# Altium PCB D11_LOCK_v1_0.PcbDoc
Units mm, origin at the board's own origin, x right, y up, seen from the top; angles counter-clockwise.
Board outline 85 x 50 mm, 4 copper layers (Top Layer, Internal Plane 1, Internal Plane 2, Bottom Layer), stack 1.56 mm thick; 130 components, 99 nets, 393 pads, 135 vias.
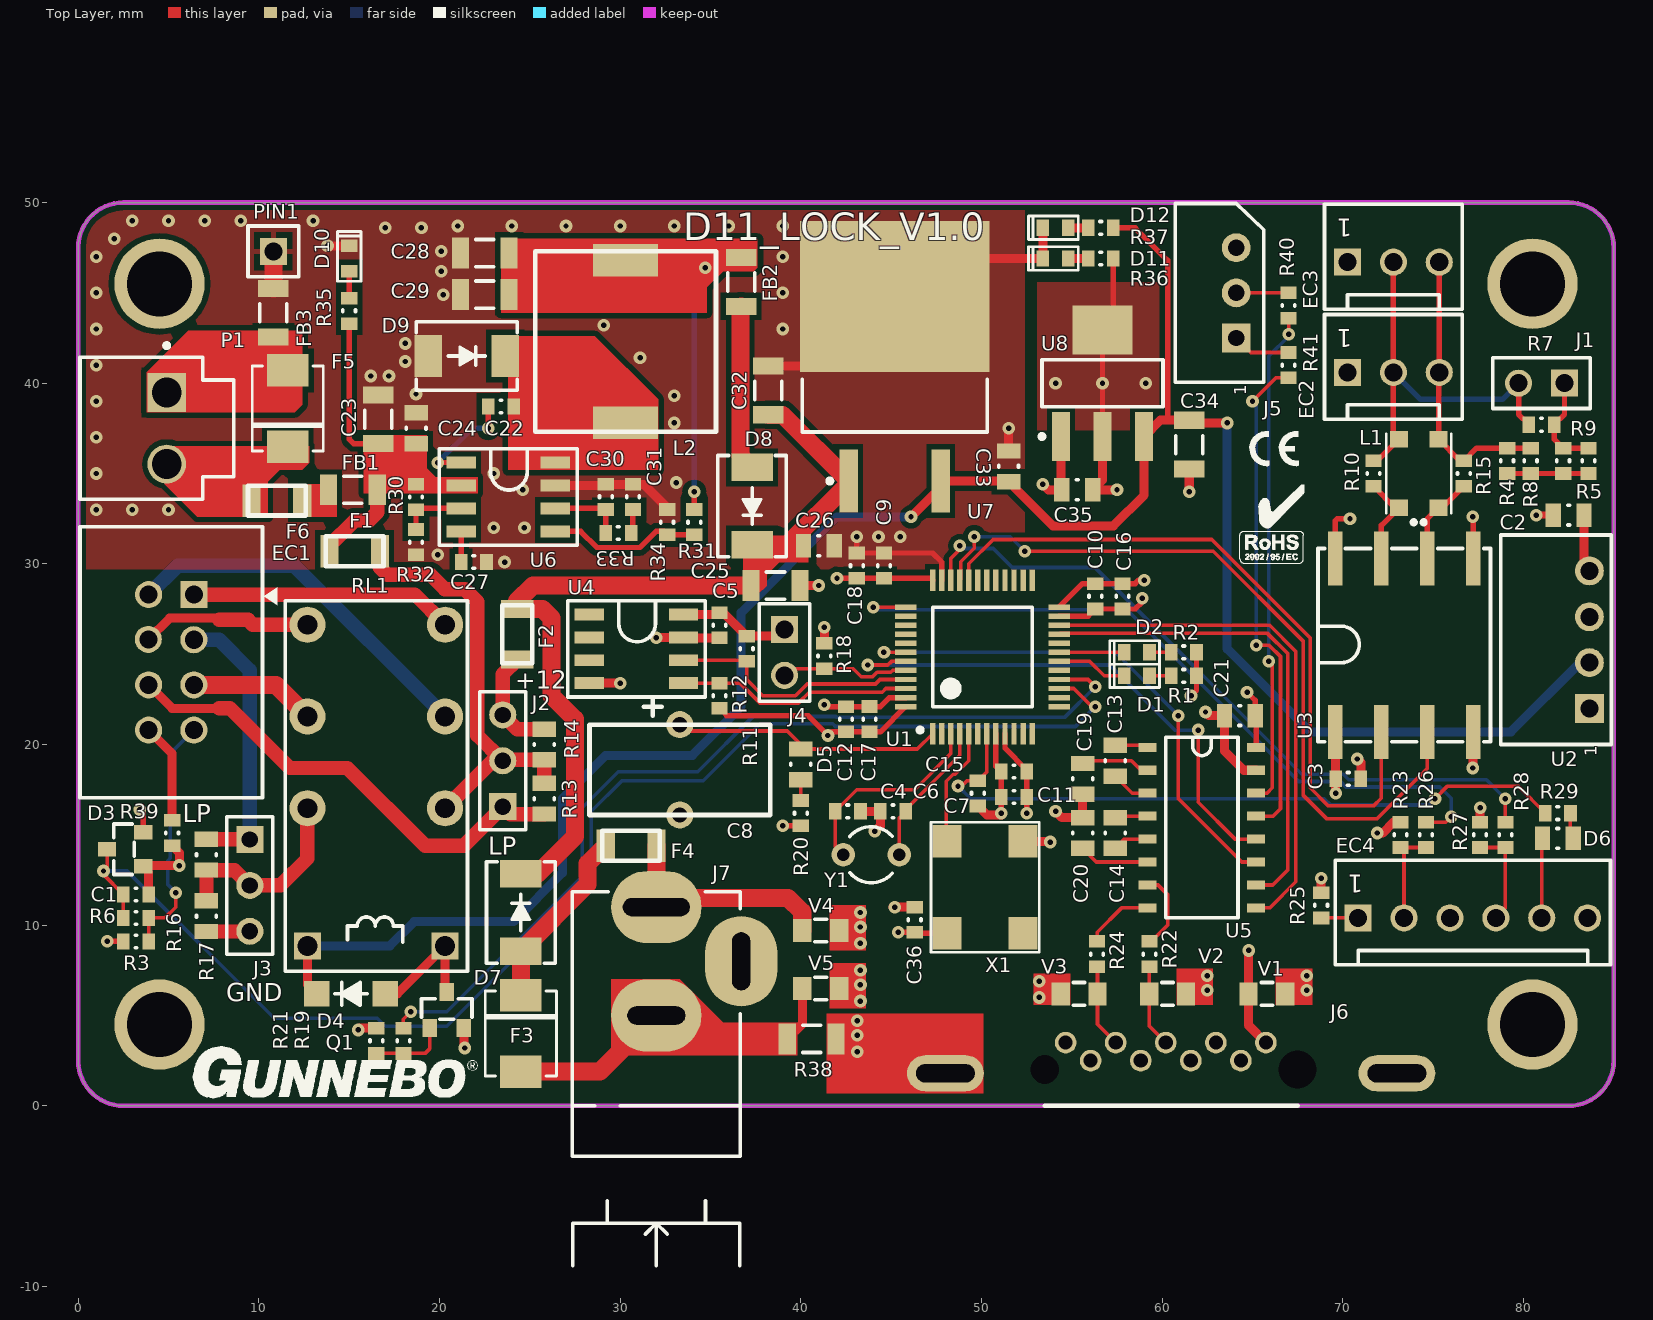
[diagram p0: Top Layer view]
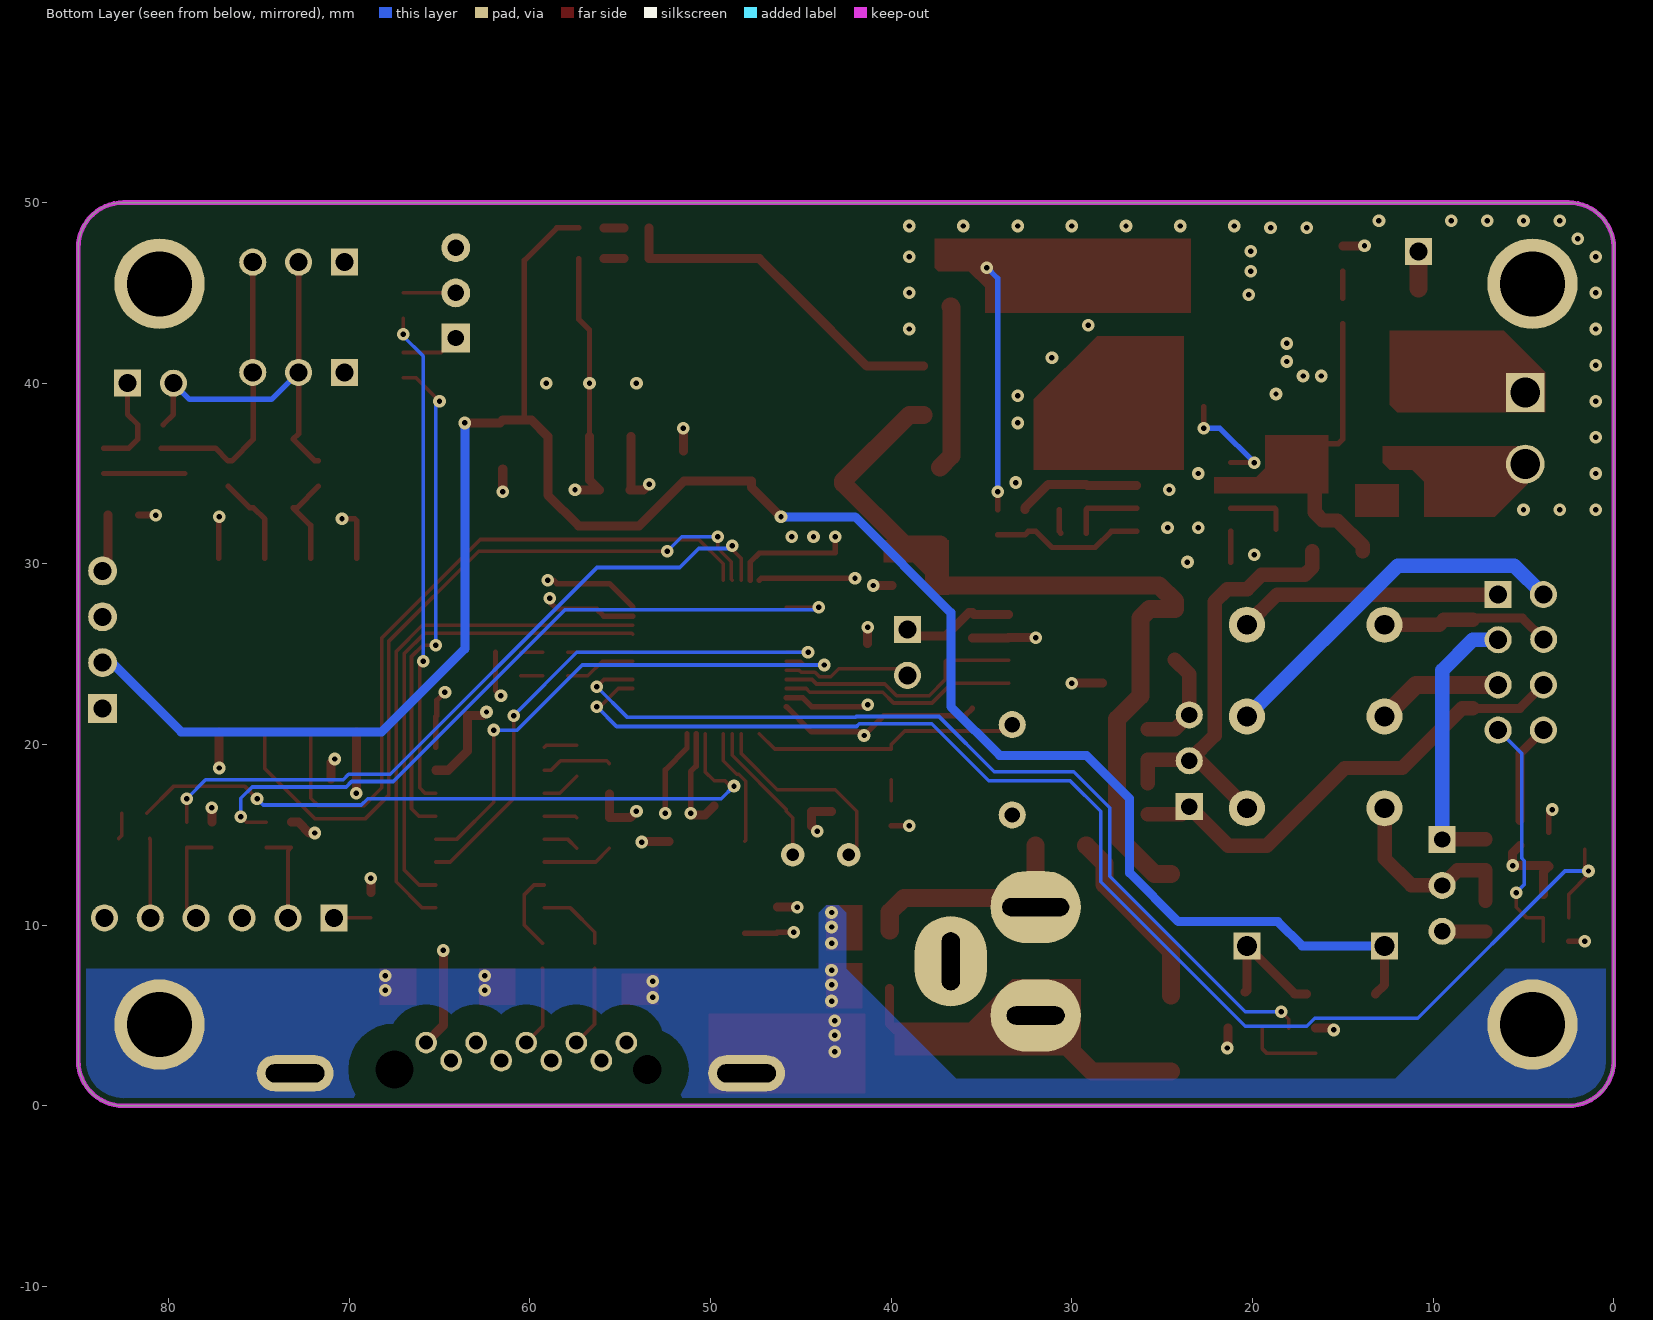
[diagram p1: Bottom Layer view, seen from below]
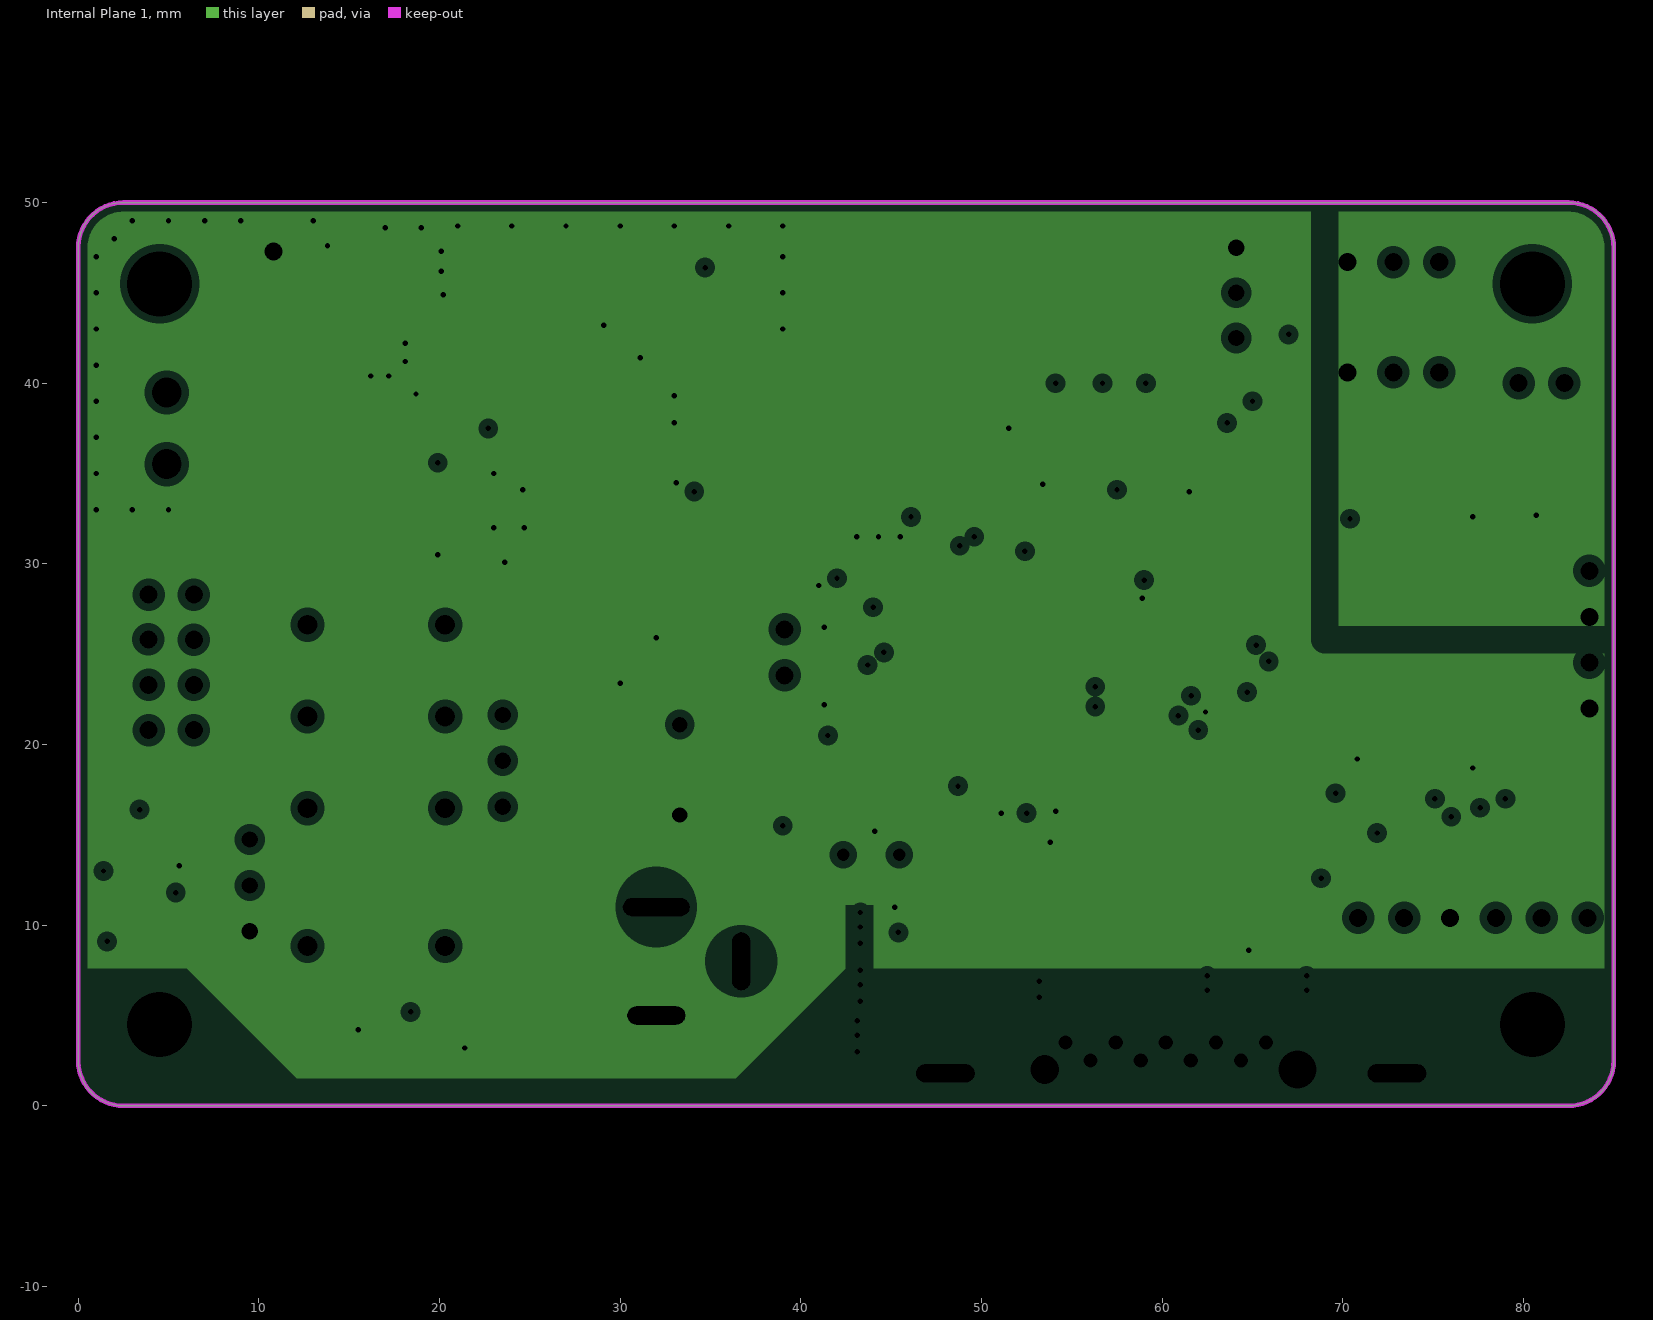
[diagram p2: Internal Plane 1, clearances drawn from the general rule]
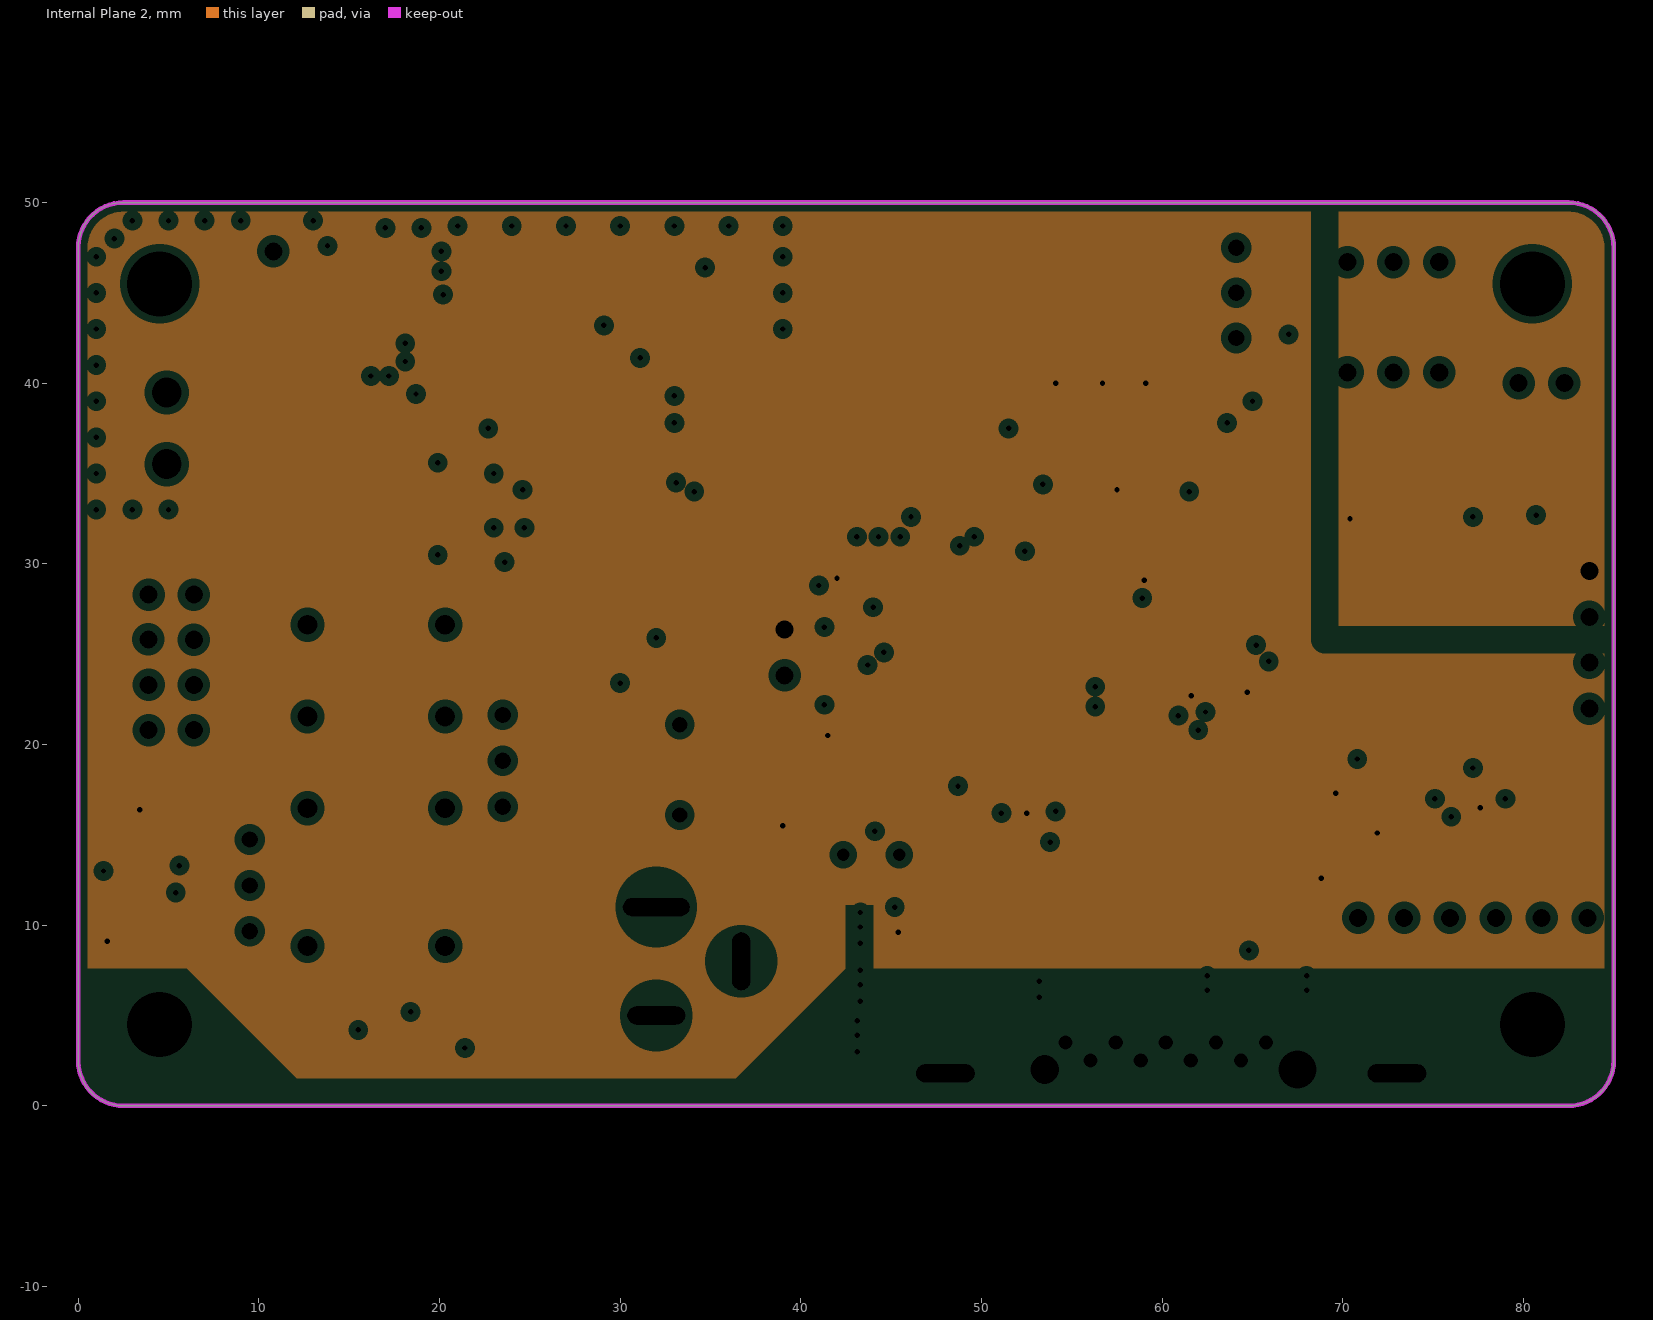
[diagram p3: Internal Plane 2, clearances drawn from the general rule]

## Layer stack, top to bottom
Top Solder: solder mask 0.0102, Solder Resist, Dk 3.5
Top Layer: signal copper 0.035
Dielectric 1: prepreg 0.13, 2x1080, Dk 4.4
Internal Plane 1: plane copper 0.015, net (Multiple Nets)
Dielectric 3: core 1.2, Dk 4.7
Internal Plane 2: plane copper 0.015, net (Multiple Nets)
Dielectric 2: prepreg 0.13, 2x1080, Dk 4.4
Bottom Layer: signal copper 0.035
Bottom Solder: solder mask 0.0102, Solder Resist, Dk 3.5

## Board outline
0,2.5 ccw(c2.5,2.5) 2.5,0 82.5,0 ccw(c82.5,2.5) 85,2.5 85,47.5 ccw(c82.5,47.5) 82.5,50 2.5,50 ccw(c2.5,47.5) 0,47.5

## Design rules (kind name [scope] priority, off if disabled: settings)
Clearance Clearance_PADS [IsPad vs IsPad] p1: gap=0.2 ignorepadtopadclearanceinfootprint=FALSE
Clearance Clearance_usb [InNetClass('DIFF90') vs (InNet('GND') AND InPolygon)] p2: gap=1.5 ignorepadtopadclearanceinfootprint=FALSE
Clearance Clearance_GND_EARTH [InNet('GND_EARTH')] p3: gap=0.3 ignorepadtopadclearanceinfootprint=FALSE except(1.5: THPad-Fill THPad-Poly THPad-Region Fill-Fill Fill-Poly Fill-Region Poly-Poly Poly-Region Region-Region)
Clearance Clearance_polygon [InPolygon] p4: gap=0.3 ignorepadtopadclearanceinfootprint=FALSE
Clearance [All] p5: gap=0.2 ignorepadtopadclearanceinfootprint=FALSE
DiffPairsRouting DiffPairsRouting_90 [InDifferentialPairClass('DIF90')] p1: maxlimit=0.5 minlimit=0.23 mostfreqgap=0.48 toplayer_minwidth=0.23 toplayer_maxwidth=0.23 toplayer_prefwidth=0.23 bottomlayer_minwidth=0.23 bottomlayer_maxwidth=0.23 bottomlayer_prefwidth=0.23 maxuncoupledlength=8
DiffPairsRouting [All] p2: maxlimit=0.254 minlimit=0.254 mostfreqgap=0.254 toplayer_minwidth=0.2 toplayer_maxwidth=0.381 toplayer_prefwidth=0.381 bottomlayer_minwidth=0.2 bottomlayer_maxwidth=0.381 bottomlayer_prefwidth=0.381 maxuncoupledlength=12.7
HoleSize [All] p1: absolutevalues=TRUE maxlimit=4 minlimit=0.025 maxpercent=80.000 minpercent=20.000
MatchedLengths [InDifferentialPairClass('DIF90')] p1: tolerance=0.127 checknetsindiffpair=TRUE checkdiffpairvsdiffpair=FALSE checkxsignals=FALSE checkothers=FALSE
MinimumSolderMaskSliver [All] p1: minsoldermaskwidth=0.08
PasteMaskExpansion [All] p1: expansion=-0.02
PlaneClearance [All] p1: clearance=0.4
PlaneConnect PlaneConnect_THD [InPadClass('THD')] p1: planeconnectstyle=Relief reliefexpansion=0.3 reliefentries=4 reliefconductorwidth=0.3 reliefairgap=0.3
PlaneConnect [All] p2: planeconnectstyle=Direct reliefexpansion=0.508 reliefentries=4 reliefconductorwidth=0.254 reliefairgap=0.254
PolygonConnect PolygonConnect_GND_EARTH [InNet('GND_EARTH')] p1: connectstyle=Direct reliefconductorwidth=0.254 reliefentries=4 polygonreliefangle="90 Angle" airgapwidth=0.254
PolygonConnect [All] p2: thpad.connectstyle=Relief thpad.reliefconductorwidth=0.3 thpad.reliefentries=4 thpad.polygonreliefangle="90 Angle" thpad.airgapwidth=0.3 smdpad.connectstyle=Direct smdpad.reliefconductorwidth=0.254 smdpad.reliefentries=4 smdpad.polygonreliefangle="90 Angle" smdpad.airgapwidth=0.254 via.connectstyle=Direct via.reliefconductorwidth=0.254 via.reliefentries=4 via.polygonreliefangle="90 Angle" via.airgapwidth=0.254
RoomDefinition power [InComponentClass('power')] p1: confinementstyle=ConfineIn formatcopy=TRUE lockcomponents=FALSE outline -0.3,-9.3 62.8,-9.3 62.8,49.6 -0.3,49.6
RoomDefinition micro [InComponentClass('micro')] p2: confinementstyle=ConfineIn formatcopy=TRUE lockcomponents=FALSE outline -0.3,-6.7 85.3,-6.7 85.3,50.4 -0.3,50.4
RoutingVias [All] p1: holewidth=0.3 width=0.7 viastyle="Through Hole" minholewidth=0.2 minwidth=0.5 maxholewidth=0.711 maxwidth=1.27
SilkToSilkClearance [All] p1: silktosilkclearance=0.125
SilkToSolderMaskClearance [IsPad] p1: minsilkscreentomaskgap=0 clearancetoexposedcopper=TRUE
SolderMaskExpansion SolderMaskExpansion_via [IsVia] p1: expansion=-1
SolderMaskExpansion [All] p2: expansion=0.06
Width [All] p1: maxlimit=5 minlimit=0.2 preferedwidth=0.3
22 further rules are at their usual default settings.

## Classes and differential pairs
pad class THD: C15-1 C15-2 EC1-1 EC1-2 EC1-3 EC2-1 EC2-2 EC2-3 EC3-1 EC3-2 EC3-3 EC3-4 EC3-5 EC3-6 EC4-1 EC4-2 EC4-3 EC4-4 EC4-5 EC4-6 EC4-7 EC4-8 J2-1 J2-2 J3-1 J3-2 J3-3 J4-1 J4-2 J4-3 J4-4 J4-5 J4-6 J4-7 J4-8 J4-9 J4-10 J4-11 J5-1 J5-2 J7-1 J7-2 J7-3 J8-1 J8-2 J8-3 J10-1 J10-2 J10-3 P2-1 P2-2 PIN1-1 RL1-1 RL1-4 RL1-6 RL1-8 RL1-9 RL1-11 RL1-13 RL1-16 U3-1 U3-2 U3-3 U3-4 Y1-1 Y1-2
differential pair class DIF90: FUSB USB
component class power: C22 C23 C24 C25 C26 C27 C28 C29 C30 C31 C32 C33 C34 C35 D7 D8 D9 D10 D11 D12 F3 F4 F5 F6 FB1 FB2 FB3 J7 L2 P1 PIN1 R30 R31 R32 R33 R34 R35 R36 R37 R38 U6 U7 U8 V4 V5
component class micro: C1 C2 C3 C4 C5 C6 C7 C8 C9 C10 C11 C12 C13 C14 C15 C16 C17 C18 C19 C20 C21 C36 D1 D2 D3 D4 D5 D6 EC1 EC2 EC3 EC4 F1 F2 J1 J2 J3 J4 J5 J6 L1 Q1 R1 R2 R3 R4 R5 R6 R7 R8 R9 R10 R11 R12 R13 R14 R15 R16 R17 R18 R19 R20 R21 R22 R23 R24 R25 R26 R27 R28 R29 R39 R40 R41 RL1 U1 U2 U3 U4 U5 V1 V2 V3 X1 Y1
net class EXT_CAN: +5VCAN GND_CAN NetEC2_2 NetEC2_3 NetJ1_1 NetL1_1 NetL1_4 NetR4_2

## Components (designator, comment, footprint, x,y, rotation, side; value= is the part's Value field where it differs from the comment)
C1 "100n" 0603 3.2,11.7 r180 top value=100pF
C2 "10uF" 0805 82.5,32.7 r180 top value=100pF
C3 "1u" 0603 70.3,18.1 r0 top value=100pF
C4 "10p" 0603 42.6,16.3 r180 top value=100pF
C5 "100n" 0603 35.5,26.6 r90 top value=100pF
C6 "10p" 0603 45.1,16.3 r0 top value=100pF
C7 "100n" 0603 49.8,17.3 r90 top value=100pF
C8 "0,22F" EECRG0V224V 33.3,21.1 r270 top
C9 "100n" 0603 44.6,29.9 r270 top value=100pF
C10 "100n" 0603 56.3,28.2 r90 top value=100pF
C11 "100n" 0603 51.8,17.1 r0 top value=100pF
C12 "100n" 0603 42.5,21.4 r270 top value=100pF
C13 "470nF" 0805 57.4,19.1 r90 top value=100pF
C14 "470nF" 0805 57.4,15.1 r270 top value=100pF
C15 "10n" 0603 51.8,18.5 r0 top value=100pF
C16 "10n" 0603 57.8,28.2 r90 top value=100pF
C17 "10n" 0603 43.8,21.4 r270 top value=100pF
C18 "10n" 0603 43.1,29.9 r270 top value=100pF
C19 "470nF" 0805 55.6,18.1 r90 top value=100pF
C20 "470nF" 0805 55.6,15.1 r90 top value=100pF
C21 "100nF" 0805 64.3,21.6 r180 top value=100pF
C22 "100n" 0603 23.403,38.705 r0 top value=100pF
C23 "10uF" 1206 16.603,38.005 r270 top value=100pF
C24 "100nF" 0805 18.703,37.505 r270 top value=100pF
C25 "10uF" 1206 38.6,28.8 r0 top value=100pF
C26 "100nF" 0805 41,31 r180 top value=100pF
C27 "10n" 0603 21.9,30.1 r0 top value=100pF
C28 "10uF" 1206 22.503,47.205 r0 top value=100pF
C29 "10uF" 1206 22.503,44.905 r0 top value=100pF
C30 "100p" 0603 29.203,33.705 r270 top value=100pF
C31 "10n" 0603 30.703,33.705 r270 top value=100pF
C32 "10uF" 1206 38.2,39.6 r270 top value=100pF
C33 "10uF" 0805 51.5,35.4 r270 top value=100pF
C34 "10uF" 1206 61.5,36.6 r90 top value=100pF
C35 "10uF" 0805 55.3,34.1 r0 top value=100pF
C36 "100n" 0603 46.3,10.3 r270 top value=100pF
D1 "LED_G" LED0603G 58.6,23.8 r180 top
D2 "LED_G" LED0603G 58.6,25.1 r180 top
D3 "BAT54S" SOT23 2.6,14.2 r90 top
D4 "LL4148" SOD123 15.1,6.2 r180 top
D5 "BAT48" 0805 40,18.9 r90 top
D6 "BAT48" 0805 81.9,14.8 r180 top
D7 "SS26" SMB 24.5,10.7 r90 top
D8 "SS26" SMB 37.3,33.2 r270 top
D9 "SS26" SMB 21.504,41.505 r0 top
D10 "LED_G" LED0603G 15,46.9 r90 top
D11 "LED_G" LED0603G 54.1,46.9 r180 top
D12 "LED_G" LED0603G 54.1,48.6 r180 top
EC1 "JST_XAD_8" JST_XADSS_8 5.15,24.55 r90 top
EC2 "Conexcon-2545-2-03-1_1" CONEXCON-2545-2-03-1 76.61,43.8 r180 top
EC3 "Conexcon-2545-2-03-1_1" CONEXCON-2545-2-03-1 76.61,49.9 r180 top
EC4 "Conexcon-2545-2-06-1" CONEXCON-2545-2-06-1 77.2,10.7 r180 top
F1 "1206L050/24" POLYFUSE_1206L 15.3,30.7 r180 top
F2 "1206L050/24" POLYFUSE_1206L 24.3,26.1 r90 top
F3 "TVS 12V Bidir" DO-214AA 24.5,4 r90 top
F4 "1206L050/24" POLYFUSE_1206L 30.6,14.4 r180 top
F5 "TVS 12V Bidir" DO-214AA 11.6,38.6 r270 top
F6 "1206L050/24" POLYFUSE_1206L 11,33.5 r0 top
FB1 "ILHB1206ER121V" 1206 15.2,34.1 r0 top
FB2 "ILHB1206ER121V" 1206 36.7,45.6 r270 top
FB3 "ILHB1206ER121V" 1206 10.8,43.9 r90 top
J1 "JUMPER2" JUMPER_2X1_2.54 81,40 r180 top
J2 "Header 3" HDR1X3 23.5,16.56 r90 top
J3 "Header 3" HDR1X3 9.5,14.74 r270 top
J4 "JUMPER2" JUMPER_2X1_2.54 39.1,25.1 r270 top
J5 "MKS_19023" MOLEX_MKS_19023 64.1,42.5 r90 top
J6 "8094" 8094 60.5,2.65 r0 top locked
J7 "PJ-002AH" POWER_JACK_5.5_2.1MM_NS_v1.1 32,11 r180 top locked
L1 "DLW43SH510XK2" 1812_DLW 74.2,35 r90 top
L2 "47u" SRU1048-470Y 30.303,42.305 r90 top
P1 "B2P-VH(LF)(SN)" JST-B2P-VH(LF)(SN)_V 3.5,37.5 r270 top
PIN1 "Debug" PIN_Debug 10.8,47.3 r0 top
Q1 "BSS138-SOT23" "SOT23 - RJ" 20.4,5.3 r0 top
R1 "330 OHM" R0603 61.2,23.8 r0 top value=1K
R2 "330 OHM" R0603 61.2,25.1 r0 top value=1K
R3 "4K7" R0603 3.2,9.1 r180 top value=1K
R4 "120 OHM" R0603 79.1,35.7 r270 top value=1K
R5 "120 OHM" R0603 83.6,35.7 r90 top value=1K
R6 "330 OHM" R0603 3.2,10.4 r0 top value=1K
R7 "0 OHM" R0603 81,37.7 r180 top value=1K
R8 "120 OHM" R0603 80.4,35.7 r270 top value=1K
R9 "120 OHM" R0603 82.2,35.7 r90 top value=1K
R10 "0 OHM" R0603 71.7,35 r90 top value=1K
R11 "2K2" R0603 37,25.3 r270 top value=1K
R12 "2K2" R0603 35.5,22.7 r90 top value=1K
R13 "0 OHM" R0805 25.8,17 r270 top value=1K
R14 "0 OHM" R0805 25.8,20 r270 top value=1K
R15 "0 OHM" R0603 76.7,35 r90 top value=1K
R16 "0 OHM" R0805 7.1,13.9 r90 top value=1K
R17 "0 OHM" R0805 7.1,10.5 r90 top value=1K
R18 "10 K" R0603 41.3,24.9 r270 top value=1K
R19 "33 OHM" R0603 18,3.6 r90 top value=1K
R20 "150 OHM" R0603 40,16.2 r90 top value=1K
R21 "4K7" R0603 16.5,3.6 r270 top value=1K
R22 "33 OHM" R0603 59.3,8.4 r90 top value=1K
R23 "100 K" R0603 73.2,15 r90 top value=1K
R24 "33 OHM" R0603 56.4,8.4 r90 top value=1K
R25 "0 OHM" R0603 68.8,11.1 r270 top value=1K
R26 "33 OHM" R0603 74.6,15 r90 top value=1K
R27 "100 K" R0603 77.6,15 r90 top value=1K
R28 "33 OHM" R0603 79,15 r90 top value=1K
R29 "1 K" R0603 81.9,16.2 r180 top value=1K
R30 "150 K" R0603 18.7,33.7 r90 top value=1K
R31 "11 K" R0603 34.103,32.305 r90 top value=1K
R32 "16 K" R0603 18.7,31.2 r90 top value=1K
R33 "16 K" R0603 29.903,31.705 r180 top value=1K
R34 "750 OHM" R0603 32.603,32.305 r270 top value=1K
R35 "2K2" R0603 15,44 r270 top value=1K
R36 "330 OHM" R0603 56.6,46.9 r0 top value=1K
R37 "470 OHM" R0603 56.6,48.6 r0 top value=1K
R38 "0 OHM" R1206 40.6,3.7 r180 top value=1K
R39 "0 OHM" R0603 5.2,15.1 r90 top value=1K
R40 "33 OHM" R0603 67,44.3 r270 top value=1K
R41 "33 OHM" R0603 67,41 r270 top value=1K
RL1 "G5V-2-5VDC" RL-OMRON-G5V-2-5VDC 16.5,17.7 r90 top
U1 "STM32F072CBT7" STM-LQFP48_N_3d 50.05,24.85 r90 top
U2 "MUS-0505" MUS-0505 81.8,25.8 r90 top
U3 "ISO1050DU" DUB_R_PDSO_G8 73.4,25.5 r90 top
U4 "M24C16" SO08 30.9,25.3 r0 top
U5 "TI-MAX3232E" SOIC16 62.2,15.4 r0 top
U6 "TPS54231" SO08 23.803,33.705 r0 top
U7 "MC7805" D2PAK 45.2,40.9 r90 top
U8 "LM1117IMPX-3.3/NOPB" SOT223_ 56.7,40 r90 top
V1 "VC080526C580" VC080526C580 65.8,6.2 r0 top
V2 "VC080526C580" VC080526C580 60.3,6.2 r180 top
V3 "VC080526C580" VC080526C580 55.4,6.2 r0 top
V4 "VC080526C580" VC080526C580 41.1,9.7 r0 top
V5 "VC080526C580" VC080526C580 41.1,6.5 r0 top
X1 "OSC_24MHZ" Oscillator_7x5 50.2,12.1 r90 top
Y1 "XTAL" R38 43.9,13.9 r270 top

## Footprints (in the part's own frame and the unit in brackets; to place one, negate y for a bottom-side part, rotate by r counter-clockwise, add the part's x,y. Pads: shape width x height; smd on the part's side, far side on the other; paste and mask are expansions set on the pad)
0603 [mm] "Chip Resistor, Body 1.6x0.8mm, IPC High Density"
  rect 0.7x0.9 smd: 1(-0.7,0) 2(0.7,0)
  silkscreen extent -0.05,-0.35 0.05,0.35, body extent -0.85,-0.47 0.85,0.47, height 0.6
0805 [mm] "Chip Resistor, Body 2.0x1.3mm, IPC High Density"
  rect 0.85x1.3 smd: 1(-0.85,0) 2(0.85,0)
  silkscreen extent -0.05,-0.55 0.05,0.55, body extent -1.1,-0.67 1.1,0.68, height 0.7
1206 [mm] "Chip Resistor, Body 3.2x1.6mm, IPC High Density"
  rect 0.95x1.7 smd: 1(-1.35,0) 2(1.35,0)
  silkscreen extent -0.5,-0.75 0.5,0.75, body extent -1.67,-0.87 1.67,0.87, height 0.75
1812_DLW [mm]
  rect 0.9x1 smd: 1(-1.9,1.1) 2(1.9,1.1) 3(1.9,-1.1) 4(-1.9,-1.1)
  silkscreen extent -2.8,-1.8 2.2,1.8, body extent -2.25,-1.6 2.25,1.6, height 2.61
8094 [mm]
  round 1.2 hole 0.78: 1(-5.84,0.85) 2(-3.07,0.85) 3(-0.3,0.85) 4(2.47,0.85) 5(5.24,0.85) 6(-4.455,-0.15) 7(-1.685,-0.15) 8(1.085,-0.15) 9(3.855,-0.15)
  oval 4.25x2 hole 1 slot 3.25 at 0 deg: 10(-12.495,-0.85) 11(12.495,-0.85)
  round 0 hole 1.6: ""(-7,-0.65)
  round 0 hole 2.1: ""(7,-0.65)
  silkscreen extent -7,-2.65 7,-2.65, body extent -15.48,-9.07 15.33,1.33, height 10.47
CONEXCON-2545-2-03-1 [mm]
  rect 1.5x1.5 hole 1: 1(6.35,3.2)
  round 1.5 hole 1: 2(3.81,3.2) 3(1.27,3.2)
  silkscreen extent 0,0 7.62,5.8, body extent 0,0 7.62,5.8, height 11.71
CONEXCON-2545-2-06-1 [mm]
  rect 1.5x1.5 hole 1: 1(6.35,0.3)
  round 1.5 hole 1: 2(3.81,0.3) 3(1.27,0.3) 4(-1.27,0.3) 5(-3.81,0.3) 6(-6.35,0.3)
  silkscreen extent -7.62,-2.9 7.62,2.9
D2PAK [mm] "DPAK, 3-Leads, Body 10.24x9.35mm, Pitch 2.54mm"
  rect 3.504x1.016 smd: 1(-6.313,2.54) 3(-6.313,-2.54)
  rect 8.38x10.49 smd: 4(3.9,0)
  silkscreen extent -6.44,-5.12 -0.69,5.12, body extent -6.11,-5.13 8.09,5.13, height 4.75
DO-214AA [mm] "DO-214-AA/SMB; 2 C-Bend Leads; Body 5.3 x 3.6 mm, inc. leads (LxW)"
  rect 1.8x2.3 smd: 1(-2.108,0) 2(2.108,0)
  silkscreen extent -2.35,-1.97 2.35,1.97, body extent -2.79,-1.97 2.79,1.97, height 2.65
DUB_R_PDSO_G8 [mm]
  rect 3x0.8 smd: 1(-4.8,3.81) 2(-4.8,1.27) 3(-4.8,-1.27) 4(-4.8,-3.81) 5(4.8,-3.81) 6(4.8,-1.27) 7(4.8,1.27) 8(4.8,3.81)
  silkscreen extent -5.35,-4.77 5.35,4.77, body extent -5.25,-4.75 5.25,4.75, height 4.18
EECRG0V224V [mm]
  round 1.5 hole 0.85: 1(0,0) 2(5,0)
  silkscreen extent -1.5,-5 5,5
HDR1X3 [mm] "Connector; Header; 3 Position"
  rect 1.5x1.5 hole 0.9: 1(0,0)
  round 1.5 hole 0.9: 2(2.54,0) 3(5.08,0)
  silkscreen extent -1.27,-1.27 6.35,1.27
JST-B2P-VH(LF)(SN)_V [mm] "THD, 2-Leads, Body 8.5x7.86mm, Pitch 3.96mm"
  rect 2.15x2.15 hole 1.65: 1(-1.98,1.4)
  round 2.15 hole 1.65: 2(1.98,1.4)
  silkscreen extent -4.7,-3.4 3.93,5.1, body extent -3.93,-3.2 3.93,5.3, height 10.9
JST_XADSS_8 [mm]
  rect 1.5x1.5 hole 1: 1(3.75,-1.25)
  round 1.5 hole 1: 2(3.75,1.25) 3(1.25,-1.25) 4(1.27,1.27) 5(-1.25,-1.25) 6(-1.25,1.25) 7(-3.75,-1.25) 8(-3.75,1.25)
  silkscreen extent -7.5,-5.87 7.5,5.05, body extent -7.5,-5.05 7.5,5.05, height 10.1
JUMPER_2X1_2.54 [mm]
  rect 1.5x1.5 hole 1: 1(-1.27,0)
  round 1.5 hole 1: 2(1.27,0)
  silkscreen extent -2.7,-1.4 2.7,1.4, body extent -2.54,-1.27 2.54,1.27, height 8.51
LED0603G [mm] "LED 0603 GREEN"
  rect 0.7x0.9 smd: 1(-0.7,0) 2(0.7,0)
  silkscreen extent -1.25,-0.65 1.5,0.65, body extent -0.8,-0.4 0.8,0.4, height 0.61
MOLEX_MKS_19023 [mm] "Connector_3x1_0.7mm"
  rect 1.6x1.6 hole 0.9: 1(0,0)
  round 1.6 hole 0.9: 2(2.5,0) 3(5,0)
  silkscreen extent -2.45,-1.52 7.45,3.38, body extent -2.5,-1.85 7.5,3.05, height 5.91
MUS-0505 [mm]
  rect 1.6x1.6 hole 1: 1(-3.81,-1.85)
  round 1.6 hole 1: 2(-1.27,-1.85) 3(1.27,-1.85) 4(3.81,-1.85)
  silkscreen extent -5.8,-3.05 5.8,3.05, body extent -5.75,-3.02 5.75,3.03, height 7.71